# KiCad board dilemma_L.kicad_pcb
title: 0xB2 - Splinky; rev: 2; company: plut0nium
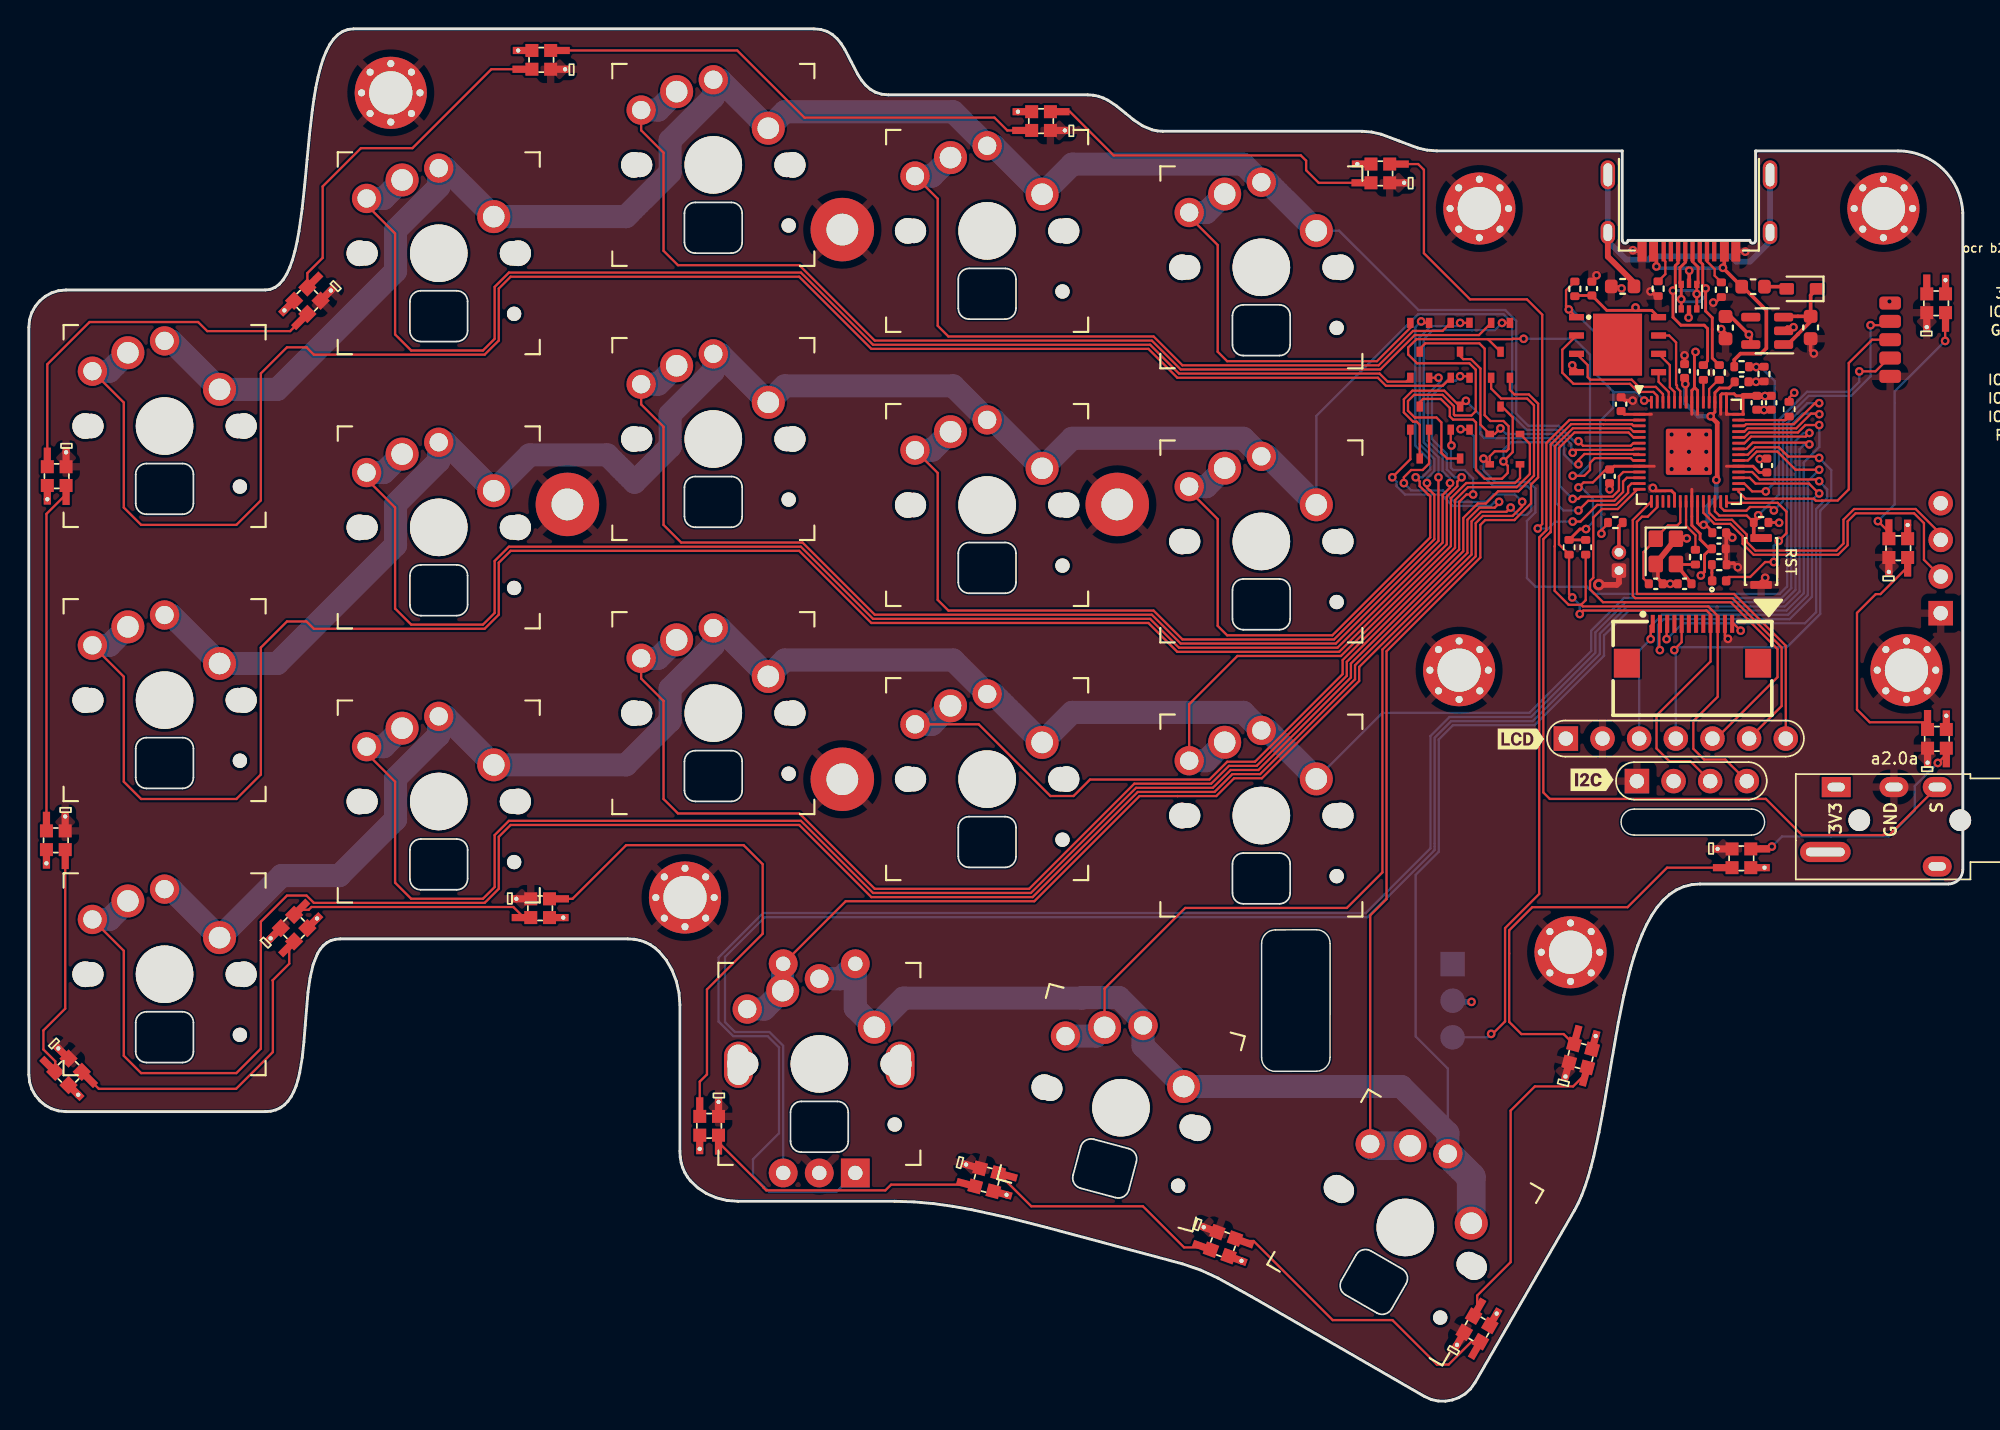
[diagram p0: board, top side]
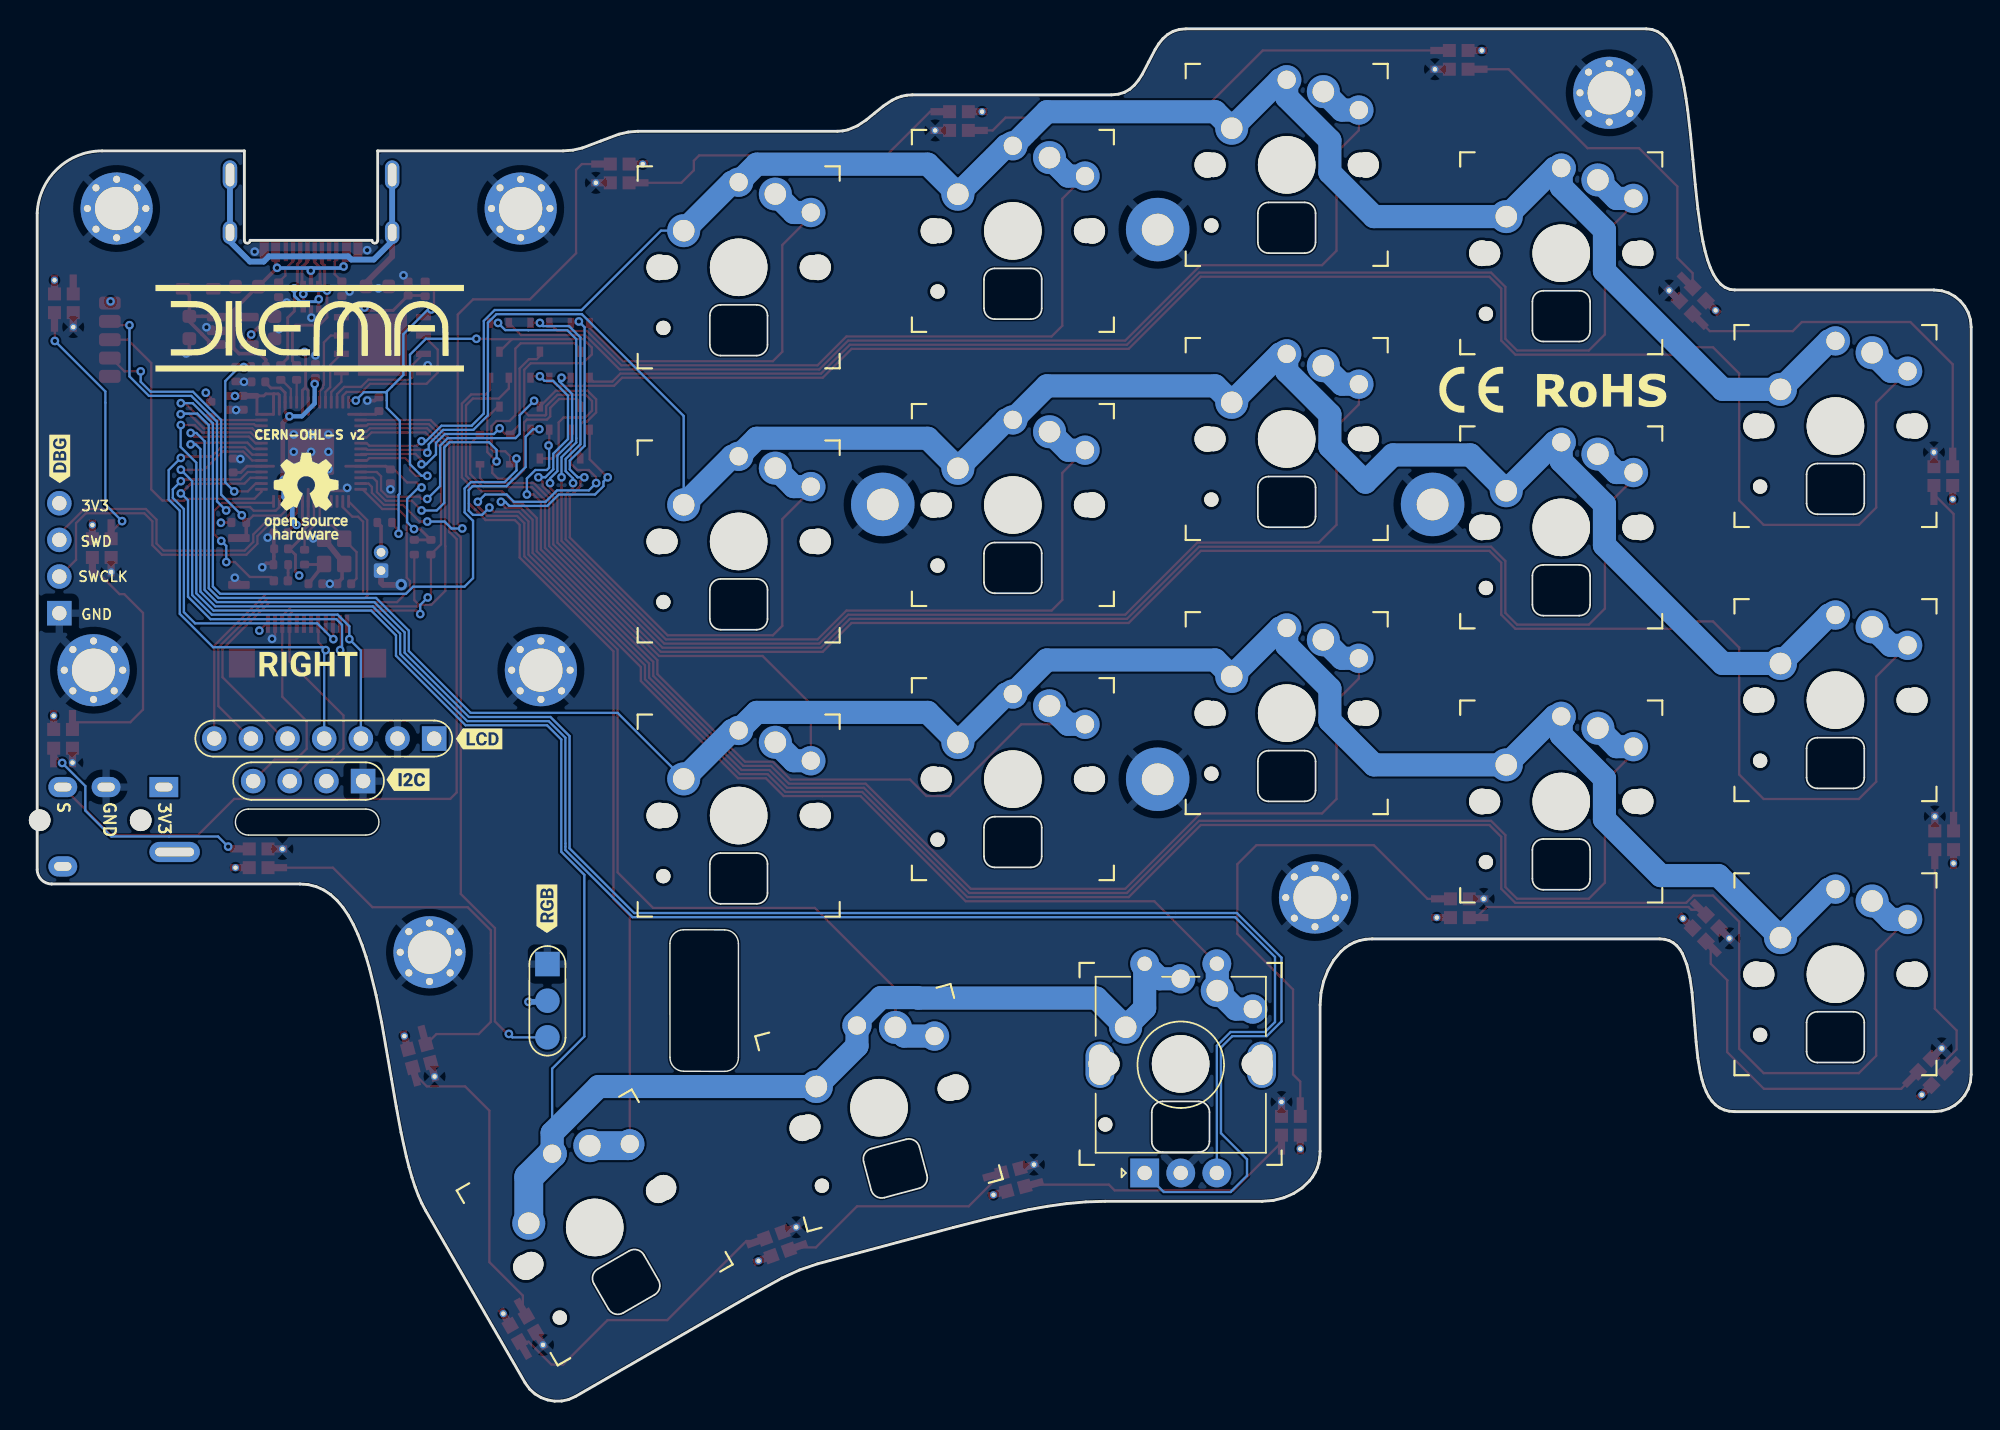
[diagram p1: board, bottom side, seen from below]

Outline 134.01 x 95.12 mm; copper layers: Top, In1.Cu, In2.Cu, Bottom. Coordinates in mm from the lower left corner of the outline.
Outline path: 111.23,41.04 119.38,41.04 arc(120.28,40.14) 119.38,39.24 111.23,39.24 arc(110.33,40.14) 111.23,41.04 ; 0,74.44 0,22.64 0.05,22.11 0.21,21.63 0.44,21.2 0.76,20.82 1.13,20.51 1.56,20.27 2.04,20.12 2.57,20.07 16.37,20.07 16.76,20.1 17.11,20.19 17.43,20.33 17.71,20.54 17.95,20.79 18.17,21.1 18.36,21.46 18.52,21.85 18.65,22.29 18.77,22.76 18.94,23.79 19.06,24.9 19.15,26.06 19.34,28.32 19.49,29.35 19.7,30.26 20,31.01 20.18,31.32 20.4,31.57 20.65,31.78 20.92,31.92 21.23,32.01 21.57,32.04 41.51,32.04 41.95,32.02 42.35,31.94 42.73,31.81 43.07,31.63 43.39,31.41 43.68,31.16 44.17,30.56 44.57,29.87 44.87,29.11 45.05,28.31 45.11,27.47 45.11,17.32 45.14,16.91 45.2,16.53 45.31,16.17 45.46,15.85 45.64,15.54 45.85,15.27 46.36,14.78 46.95,14.39 47.62,14.1 48.35,13.92 49.14,13.85 60.01,13.85 61.35,13.81 62.69,13.69 64.01,13.51 65.33,13.27 67.94,12.7 70.54,12.03 79.93,9.52 81.19,9.09 82.4,8.53 84.74,7.24 96.69,0.34 97.18,0.12 97.67,0.01 98.16,0 98.64,0.08 99.1,0.25 99.52,0.5 99.89,0.84 100.21,1.28 107.11,13.23 107.36,13.71 107.6,14.25 107.82,14.85 108.04,15.5 108.24,16.21 108.44,16.97 108.8,18.62 109.13,20.42 109.46,22.32 110.14,26.24 110.53,28.15 110.97,29.96 111.22,30.8 111.49,31.61 111.79,32.36 112.11,33.05 112.45,33.68 112.83,34.23 113.24,34.71 113.68,35.12 114.16,35.43 114.67,35.66 115.22,35.8 115.81,35.85 133.01,35.85 arc(133.72,36.14) 134.01,36.85 134.01,82.35 arc(132.63,85.41) 129.51,86.66 119.66,86.66 119.66,80.46 arc(119.46,80.26) 119.26,80.46 110.82,80.46 arc(110.62,80.26) 110.42,80.46 110.42,86.66 97.56,86.66 96.89,86.71 96.23,86.86 93.7,87.81 93.05,87.96 92.37,88.02 78.57,88.02 78.2,88.04 77.84,88.12 77.17,88.39 76.56,88.8 75.39,89.76 74.78,90.17 74.45,90.32 74.11,90.44 73.75,90.52 73.37,90.54 59.57,90.54 59.09,90.59 58.66,90.72 58.29,90.94 57.97,91.22 57.69,91.57 57.44,91.97 56.54,93.7 56.29,94.09 56.01,94.44 55.68,94.72 55.31,94.94 54.89,95.07 54.4,95.12 22.51,95.12 22.11,95.07 21.75,94.94 21.41,94.72 21.11,94.41 20.84,94.02 20.6,93.56 20.39,93.02 20.2,92.42 20.03,91.76 19.89,91.05 19.76,90.29 19.64,89.49 19.45,87.81 19.28,86.07 19.12,84.33 18.94,82.65 18.72,81.09 18.59,80.38 18.44,79.72 18.27,79.11 18.08,78.58 17.86,78.11 17.62,77.73 17.36,77.42 17.06,77.2 16.73,77.06 16.37,77.02 2.57,77.02 2.04,76.96 1.56,76.81 1.13,76.57 0.76,76.26 0.44,75.89 0.21,75.46 0.05,74.98 0,74.44 ; 85.42,31.71 85.42,23.81 arc(85.7,23.14) 86.37,22.86 89.21,22.87 arc(89.89,23.14) 90.16,23.82 90.17,31.72 arc(89.89,32.4) 89.22,32.67 86.37,32.66 arc(85.7,32.39) 85.42,31.71
Stack: Top 0.035mm / dielectric 1.11mm FR4 er 4.5 / In1.Cu 0.035mm / dielectric 1.51mm FR4 er 4.5 / In2.Cu 0.035mm / dielectric 1.51mm FR4 er 4.5 / Bottom 0.035mm

## Placement (name value [footprint] x y rotation side)
C5001  1µ  [C_0603_1608Metric]  123.47 74.42 270 top
C5002  1µ  [C_0603_1608Metric]  117.57 74.41 270 top
C5003  1µ  [C_0402_1005Metric]  120.73 69.2 270 top
C5004  1µ  [C_0402_1005Metric]  118.68 70.65 0 top
C5005  15p  [C_0402_1005Metric]  112.73 56.65 0 top
C5006  100n  [C_0402_1005Metric]  114.73 71.4 90 top
C5007  100n  [C_0402_1005Metric]  117.13 60.19 0 top
C5008  15p  [C_0402_1005Metric]  114.73 56.65 180 top
C5009  100n  [C_0402_1005Metric]  109.53 64.1 270 top
C5010  100n  [C_0402_1005Metric]  108.31 77.12 90 top
C5011  100n  [C_0402_1005Metric]  119.73 69.2 270 top
C5012  100n  [C_0402_1005Metric]  110.33 69.1 90 top
C5013  100n  [C_0402_1005Metric]  120.43 64.85 90 top
C5014  100n  [C_0402_1005Metric]  117.11 59.08 0 top
D5001  LED  [LED_0402_1005Metric]  117.13 56.86 0 top
D5002  D_CC  [SOT-323_SC-70]  99.18 69.94 270 top
D5003  D_CC  [SOT-323_SC-70]  96.38 66.34 270 top
D5004  B5817  [D_SOD-323]  122.86 77.1 180 top
D5005  D_CC  [SOT-323_SC-70]  96.38 69.94 270 top
D5006  D_CC  [SOT-323_SC-70]  101.98 69.94 270 top
D5007  D_CC  [SOT-323_SC-70]  101.98 73.74 270 top
D5008  D_CC  [SOT-323_SC-70]  99.18 66.34 270 top
D5009  D  [D_SOD-323#2]  102.28 67.04 0 top
D5010  D_CC  [SOT-323_SC-70]  99.17 73.74 270 top
D5011  D  [D_SOD-323#2]  102.28 64.94 0 top
D5012  D_CC  [SOT-323_SC-70]  96.38 73.74 270 top
D5013  SK6805-EC15  [LED_SK6805-EC15_1.5x1.5mm_P0.6mm_handsolder(1)#2]  93.65 85.1 180 top
D5014  SK6805-EC15  [LED_SK6805-EC15_1.5x1.5mm_P0.6mm_handsolder(1)#2]  35.43 34.17 0 top
D5015  SK6805-EC15  [LED_SK6805-EC15_1.5x1.5mm_P0.6mm_handsolder(1)#2]  132.16 76.1 90 top
D5016  SK6805-EC15  [LED_SK6805-EC15_1.5x1.5mm_P0.6mm_handsolder(1)#2]  70.14 88.73 180 top
D5017  SK6805-EC15  [LED_SK6805-EC15_1.5x1.5mm_P0.6mm_handsolder(1)#2]  47.14 19.09 270 top
D5018  SK6805-EC15  [LED_SK6805-EC15_1.5x1.5mm_P0.6mm_handsolder(1)#2]  35.51 92.97 180 top
D5019  SK6805-EC15  [LED_SK6805-EC15_1.5x1.5mm_P0.6mm_handsolder(1)#2]  66.37 15.34 345 top
D5020  SK6805-EC15  [LED_SK6805-EC15_1.5x1.5mm_P0.6mm_handsolder(1)]  19.3 76.28 225 top
D5021  SK6805-EC15  [LED_SK6805-EC15_1.5x1.5mm_P0.6mm_handsolder(1)#3]  82.74 10.88 340 top
D5022  SK6805-EC15  [LED_SK6805-EC15_1.5x1.5mm_P0.6mm_handsolder(1)#2]  1.93 64.12 270 top
D5023  SK6805-EC15  [LED_SK6805-EC15_1.5x1.5mm_P0.6mm_handsolder(1)#2]  100.35 5.01 60 top
D5024  SK6805-EC15  [LED_SK6805-EC15_1.5x1.5mm_P0.6mm_handsolder(1)#2]  1.87 38.88 270 top
D5025  SK6805-EC15  [LED_SK6805-EC15_1.5x1.5mm_P0.6mm_handsolder(1)#2]  107.53 23.93 75 top
D5026  SK6805-EC15  [LED_SK6805-EC15_1.5x1.5mm_P0.6mm_handsolder(1)]  2.75 22.83 315 top
D5027  SK6805-EC15  [LED_SK6805-EC15_1.5x1.5mm_P0.6mm_handsolder(1)#2]  118.67 37.63 0 top
D5028  SK6805-EC15  [LED_SK6805-EC15_1.5x1.5mm_P0.6mm_handsolder(1)]  18.38 32.79 45 top
D5029  SK6805-EC15  [LED_SK6805-EC15_1.5x1.5mm_P0.6mm_handsolder(1)#2]  132.22 45.91 90 top
D5030  SK6805-EC15  [LED_SK6805-EC15_1.5x1.5mm_P0.6mm_handsolder(1)#2]  129.54 59.13 90 top
F5001  Polyfuse  [Fuse_0603_1608Metric]  119.48 77.25 0 top
FB5001  FerriteBead_Small  [L_0603_1608Metric]  110.44 77.27 0 top
G***  -  [LOGO]  34.29 69.96 180 bottom
G***#2  -  [LOGO]  25.61 70.06 180 bottom
G***#3  -  [LOGO]  115.13 74.37 180 bottom
H5001  NA_M4  [MountingHole_3mm_Pad_Via]  25.08 90.68 0 top
H5002  NA_M4  [MountingHole_3mm_Pad_Via]  106.83 31.11 0 top
H5003  NA_M4  [MountingHole_3mm_Pad_Via]  45.47 34.91 0 top
H5004  NA_M4  [MountingHole_3mm_Pad_Via]  128.51 82.66 0 top
H5005  NA_M4  [MountingHole_3mm_Pad_Via]  99.11 50.66 0 top
H5006  NA_M4  [MountingHole_3mm_Pad_Via]  130.11 50.66 0 top
H5007  NA_M4  [MountingHole_3mm_Pad_Via]  100.51 82.66 0 top
H5008  NA_Mount  [Tenting_Puck]  56.37 62.15 0 top
J5001  USB_C_Receptacle_USB2.0  [USB_C_Receptacle_HRO_TYPE-C-31-M-13B]  115.03 87.1 180 top
J5002  NA_Conn_01x02  [PinHeader_1x02_P1.27mm_Vertical]  110.18 57.57 180 top
J5003  NA_serial  [Jack_3.5mm_PJ320E_Horizontal]  125.24 42.56 270 top
J5004  NA_GC9A01  [PinHeader_1x07_P2.54mm_Vertical]  106.5 45.93 90 top
J5005  NA_Conn_01x04_Female  [PinHeader_1x04_P2.54mm_Vertical_debug]  132.48 62.24 0 top
J5006  NA_Conn_01x03_Female  [PinHeader_1x03_P2.54mm_Vertical_smd]  98.66 30.3 180 bottom
J5007  Cirque  [FPC-SMD_FPC05012-09200-.5mm]  115.28 52.51 0 top
J5008  Conn_01x05  [PinHeader_1x05_P1.27mm_Vertical_SMD]  128.98 76.11 0 top
kibuzzard-62C19AB4  G***  [kibuzzard-62C19AB4]  108.32 43.07 0 top
kibuzzard-62C19AC2  G***  [kibuzzard-62C19AC2]  108.32 43.08 180 bottom
kibuzzard-62C5480E  G***  [kibuzzard-62C5480E]  115.22 51.09 180 bottom
kibuzzard-633C33B9  G***  [kibuzzard-633C33B9]  103.39 45.9 0 top
kibuzzard-633C33EB  G***  [kibuzzard-633C33EB]  103.39 45.91 180 bottom
kibuzzard-633C35A1  G***  [kibuzzard-633C35A1]  98.69 34.13 90 bottom
kibuzzard-633C36FE  G***  [kibuzzard-633C36FE]  132.45 65.31 90 bottom
kibuzzard-637DFD3F  G***  [kibuzzard-637DFD3F]  140.19 75.6 0 top
kibuzzard-637DFD36  G***  [kibuzzard-637DFD36]  140.13 76.93 0 top
kibuzzard-637DFD49  G***  [kibuzzard-637DFD49]  140.09 74.29 0 top
kibuzzard-637DFDAA  G***  [kibuzzard-637DFDAA]  143.06 76.97 0 top
kibuzzard-637DFDBA  G***  [kibuzzard-637DFDBA]  143.16 75.62 0 top
kibuzzard-637DFDC2  G***  [kibuzzard-637DFDC2]  142.95 74.31 0 top
kibuzzard-637DFDE4  G***  [kibuzzard-637DFDE4]  145.8 74.32 0 top
kibuzzard-637DFDEC  G***  [kibuzzard-637DFDEC]  145.97 75.59 0 top
kibuzzard-637DFDF5  G***  [kibuzzard-637DFDF5]  145.75 77 0 top
kibuzzard-637DFF2A  G***  [kibuzzard-637DFF2A]  148.77 75.54 0 top
kibuzzard-637DFF3C  G***  [kibuzzard-637DFF3C]  148.43 74.22 0 top
kibuzzard-637DFF8D  G***  [kibuzzard-637DFF8D]  151.94 75.51 0 top
kibuzzard-637DFF35  G***  [kibuzzard-637DFF35]  148.37 76.93 0 top
kibuzzard-637DFF83  G***  [kibuzzard-637DFF83]  151.97 74.2 0 top
kibuzzard-637DFF95  G***  [kibuzzard-637DFF95]  151.78 76.94 0 top
O5001  NA_OLED  [PinHeader_1x04_P2.54mm_Vertical]  111.43 42.98 90 top
R5001  1k  [R_0402_1005Metric]  117.13 57.98 180 top
R5002  10k  [R_0402_1005Metric]  120.03 60.9 0 top
R5003  1k  [R_0402_1005Metric]  109.93 60.9 180 top
R5004  5.1k  [R_0402_1005Metric]  112.9 77.11 270 top
R5005  5.1k  [R_0402_1005Metric]  117.28 77.04 270 top
R5006  27  [R_0402_1005Metric]  116.03 71.3 270 top
R5007  27  [R_0402_1005Metric]  117.13 71.3 270 top
R5008  1k  [R_0402_1005Metric]  115.48 58.5 90 top
R5009  5.1k  [R_0402_1005Metric]  118.68 71.7 180 top
R5010  10k  [R_0402_1005Metric]  120.23 71.19 90 top
R5011  10k  [R_0402_1005Metric]  107.13 77.1 270 top
R5012  5.1k  [R_0402_1005Metric_nolabel]  121.98 68.76 90 top
R5013  4.7k  [R_0402_1005Metric_nolabel]  107.88 59.19 90 top
R5014  4.7k  [R_0402_1005Metric_nolabel]  106.73 59.19 270 top
REF**  -  [OSHW-Logo_5.7x6mm_SilkScreen]  115.38 62.72 180 bottom
SW5001  SW_Push  [SW_SPST_CK_KXT3]  120.03 58.2 90 top
SW5002  NA_SW_Push  [SW_MX_choc]  9.4 67.59 180 bottom
SW5003  NA_SW_Push  [SW_MX_choc]  9.4 48.59 180 bottom
SW5004  NA_SW_Push  [SW_MX_choc]  9.4 29.59 180 bottom
SW5005  NA_SW_Push  [SW_MX_choc]  75.68 20.34 165 bottom
SW5006  NA_SW_Push  [SW_MX_choc]  28.4 79.56 180 bottom
SW5007  NA_SW_Push  [SW_MX_choc]  28.4 60.56 180 bottom
SW5008  NA_SW_Push  [SW_MX_choc]  28.4 41.56 180 bottom
SW5009  NA_SW_Push  [SW_MX_choc]  95.38 12.04 150 bottom
SW5010  NA_SW_Push  [SW_MX_choc]  47.43 85.69 180 bottom
SW5011  NA_SW_Push  [SW_MX_choc]  47.43 66.69 180 bottom
SW5012  NA_SW_Push  [SW_MX_choc]  47.43 47.69 180 bottom
SW5013  NA_SW_Push  [SW_MX_choc]  54.78 23.38 180 bottom
SW5014  NA_SW_Push  [SW_MX_choc]  66.4 81.11 180 bottom
SW5015  NA_SW_Push  [SW_MX_choc]  66.4 62.11 180 bottom
SW5016  NA_SW_Push  [SW_MX_choc]  66.4 43.11 180 bottom
SW5017  NA_SW_Push  [SW_MX_choc]  85.4 78.59 180 bottom
SW5018  NA_SW_Push  [SW_MX_choc]  85.4 59.59 180 bottom
SW5019  NA_SW_Push  [SW_MX_choc]  85.4 40.59 180 bottom
SW5020  NA_RotaryEncoder_Switch  [RotaryEncoder_Alps_EC11E-Switch_Vertical_H20mm_roundholes]  57.27 15.82 90 bottom
U5001  XC6210B332MR-G  [SOT-23-5]  120.46 74.19 180 top
U5002  RP2040  [QFN-56-1EP_7x7mm_P0.4mm_EP3.2x3.2mm]  115.03 65.8 0 top
U5003  USBLC6-2P6  [SOT-666]  115.04 76.56 90 top
U5004  W25Q128JVS  [W25Q128JVPIQ]  110.09 73.23 0 top
Y5001  Crystal_GND24  [Crystal_SMD_2520-4Pin_2.5x2.0mm]  113.43 58.9 270 top

## Library data of the parts
C5001 C5002 = -: LCSC: C19666
C5003 C5004 = -: LCSC: C52923
C5005 C5008 = -: LCSC: C1548
C5006 C5007 C5009-C5014 = -: LCSC: C1525
D5001 = -: LCSC: C130719
D5004 = -: LCSC: C123899
D5013-D5030 = -: LCSC: C2890035; MFN: Dongguan Opsco Optoelectronics
F5001 = -: LCSC: C69679
FB5001 = -: LCSC: C98288
J5001 = -: LCSC: C2848619
R5001 R5003 R5008 = -: LCSC: C11702
R5002 R5010 R5011 = -: LCSC: C25744
R5004 R5005 R5009 = -: LCSC: C25905
R5006 R5007 = -: LCSC: C25100
R5012 = -: JLCPCB BOM: 1; JLCPCB Part: C26033
R5013 R5014 = -: LCSC: C269746
SW5001 = -: LCSC: C319433; Field5: R
U5001 = -: LCSC: C82942; LCSC2: C47719
U5002 = -: LCSC: C2040
Y5001 = -: LCSC: C2149204

## Footprints (pads in the part's own frame, mm; a bottom-side part is the same pattern mirrored in y, then rotated)
C_0402_1005Metric
  rrect 0.56x0.62 smd: 1(-0.48,0) 2(0.48,0)
C_0603_1608Metric
  rrect 0.9x0.95 smd: 1(-0.775,0) 2(0.775,0)
Crystal_SMD_2520-4Pin_2.5x2.0mm
  rrect 1.15x1 smd: 1(-0.875,-0.7) 2(0.875,-0.7) 3(0.875,0.7) 4(-0.875,0.7)
D_SOD-323
  rrect 1x0.8 smd: 1(-1.05,0) 2(1.05,0)
D_SOD-323#2
  rect 0.6x0.45 smd: 1(-1.05,0) 2(1.05,0)
FPC-SMD_FPC05012-09200-.5mm
  rect 0.28x1.25 smd: 1(-2.75,1.362) 2(-2.25,1.362) 3(-1.75,1.362) 4(-1.25,1.362) 5(-0.75,1.362) 6(-0.25,1.362) 7(0.25,1.362) 8(0.75,1.362) 9(1.25,1.362) 10(1.75,1.362) 11(2.25,1.362) 12(2.75,1.362)
  rect 1.8x2 smd: 13(4.55,-1.362) 14(-4.55,-1.362)
Fuse_0603_1608Metric
  rrect 0.875x0.95 smd: 1(-0.787,0) 2(0.787,0)
Jack_3.5mm_PJ320E_Horizontal
  oval 1.5x1.5 hole 1.5 unplated: (2.3,8.6) (2.3,1.6)
  oval 1.4x2 hole 0.6x1.2: (5.5,7) R1(0,4) R2(0,7)
  oval 1.4x3.5 hole 0.6x2.7: S(4.5,-0.75)
  rect 1.4x2 hole 0.6x1.2: T(0,0)
L_0603_1608Metric
  rrect 0.875x0.95 smd: 1(-0.787,0) 2(0.787,0)
LED_0402_1005Metric
  rrect 0.59x0.64 smd: 1(-0.485,0) 2(0.485,0)
LED_SK6805-EC15_1.5x1.5mm_P0.6mm_handsolder(1)
  rect 1.7x0.5 smd: 1(-1.124,-0.65) 2(1.124,-0.65) 3(1.149,0.65) 4(-1.124,0.65)
  rect 0.9x0.9 smd: 1(-0.65,-0.65) 2(0.65,-0.65) 3(0.65,0.65) 4(-0.65,0.65)
  round 0.5 hole 0.3: 2(1.6,-0.65) 4(-1.65,0.65)
LED_SK6805-EC15_1.5x1.5mm_P0.6mm_handsolder(1)#2
  rect 1.7x0.5 smd: 1(-1.124,-0.65) 2(1.124,-0.65) 3(1.149,0.65) 4(-1.124,0.65)
  rect 0.9x0.9 smd: 1(-0.65,-0.65) 2(0.65,-0.65) 3(0.65,0.65) 4(-0.65,0.65)
  round 0.5 hole 0.3: 2(1.6,-0.65) 4(-1.65,0.65)
LED_SK6805-EC15_1.5x1.5mm_P0.6mm_handsolder(1)#3
  rect 1.7x0.5 smd: 1(-1.124,-0.65) 2(1.124,-0.65) 3(1.149,0.65) 4(-1.124,0.65)
  rect 0.9x0.9 smd: 1(-0.65,-0.65) 2(0.65,-0.65) 3(0.65,0.65) 4(-0.65,0.65)
  round 0.5 hole 0.3: 2(1.6,-0.65) 4(-1.65,0.65)
MountingHole_3mm_Pad_Via
  round 0.8 hole 0.5: 1(-2.025,0) 1(-1.432,1.432) 1(-1.432,-1.432) 1(0,2.025) 1(0,-2.025) 1(1.432,1.432) 1(1.432,-1.432) 1(2.025,0)
  round 5 hole 3: 1(0,0)
PinHeader_1x02_P1.27mm_Vertical
  rrect 1x1 hole 0.6: 1(0,0)
  round 1 hole 0.6: 2(0,-1.27)
PinHeader_1x03_P2.54mm_Vertical_smd
  rect 1.7x1.7 smd: 1(0,0)
  oval 1.7x1.7 smd: 2(0,-2.54) 3(0,-5.08)
PinHeader_1x04_P2.54mm_Vertical
  rect 1.7x1.7 hole 1: 1(0,0)
  oval 1.7x1.7 hole 1: 2(0,-2.54) 3(0,-5.08) 4(0,-7.62)
PinHeader_1x04_P2.54mm_Vertical_debug
  round 1.7 hole 1: 1(0,0)
  oval 1.7x1.7 hole 1: 2(0,-2.54) 3(0,-5.08)
  rect 1.7x1.7 hole 1: 4(0,-7.62)
PinHeader_1x05_P1.27mm_Vertical_SMD
  rrect 1.5x0.9 smd: 1(0,0) 2(0,-1.27) 3(0,-2.54) 4(0,-3.81) 5(0,-5.08)
PinHeader_1x07_P2.54mm_Vertical
  rect 1.7x1.7 hole 1: 1(0,0)
  oval 1.7x1.7 hole 1: 2(0,-2.54) 3(0,-5.08) 4(0,-7.62) 5(0,-10.16) 6(0,-12.7) 7(0,-15.24)
QFN-56-1EP_7x7mm_P0.4mm_EP3.2x3.2mm
  rrect 1.084x1.084 smd: (-0.637,0.637) (-0.637,-0.637) (0.637,0.637) (0.637,-0.637)
  rrect 0.875x0.2 smd: 1(-3.438,2.6) 2(-3.438,2.2) 3(-3.438,1.8) 4(-3.438,1.4) 5(-3.438,1) 6(-3.438,0.6) 7(-3.438,0.2) 8(-3.438,-0.2) 9(-3.438,-0.6) 10(-3.438,-1) 11(-3.438,-1.4) 12(-3.438,-1.8) 13(-3.438,-2.2) 14(-3.438,-2.6) 29(3.438,-2.6) 30(3.438,-2.2) 31(3.438,-1.8) 32(3.438,-1.4) 33(3.438,-1) 34(3.438,-0.6) 35(3.438,-0.2) 36(3.438,0.2) 37(3.438,0.6) 38(3.438,1) 39(3.438,1.4) 40(3.438,1.8) 41(3.438,2.2) 42(3.438,2.6)
  rrect 0.2x0.875 smd: 15(-2.6,-3.438) 16(-2.2,-3.438) 17(-1.8,-3.438) 18(-1.4,-3.438) 19(-1,-3.438) 20(-0.6,-3.438) 21(-0.2,-3.438) 22(0.2,-3.438) 23(0.6,-3.438) 24(1,-3.438) 25(1.4,-3.438) 26(1.8,-3.438) 27(2.2,-3.438) 28(2.6,-3.438) 43(2.6,3.438) 44(2.2,3.438) 45(1.8,3.438) 46(1.4,3.438) 47(1,3.438) 48(0.6,3.438) 49(0.2,3.438) 50(-0.2,3.438) 51(-0.6,3.438) 52(-1,3.438) 53(-1.4,3.438) 54(-1.8,3.438) 55(-2.2,3.438) 56(-2.6,3.438)
  rrect 3.2x3.2 smd: 57(0,0)
R_0402_1005Metric
  rrect 0.54x0.64 smd: 1(-0.51,0) 2(0.51,0)
R_0402_1005Metric_nolabel
  rrect 0.54x0.64 smd: 1(-0.51,0) 2(0.51,0)
RotaryEncoder_Alps_EC11E-Switch_Vertical_H20mm_roundholes
  rect 2x2 hole 1: A(0,0)
  round 2 hole 1: B(0,-5) C(0,-2.5) S1(14.5,-5) S2(14.5,0)
  oval 3.2x2 hole 2.8x1.5: MP(7.5,-8.1) MP(7.5,3.1)
SOT-23-5
  rrect 1.325x0.6 smd: 1(-1.137,0.95) 2(-1.137,0) 3(-1.137,-0.95) 4(1.137,-0.95) 5(1.137,0.95)
SOT-323_SC-70
  rect 0.7x0.45 smd: 1(-1,0.65) 2(-1,-0.65) 3(1,0)
SOT-666
  rect 0.5x0.375 smd: 1(-0.85,0.537) 3(-0.85,-0.537) 4(0.85,-0.537) 6(0.85,0.537)
  rect 0.65x0.3 smd: 2(-0.925,0) 5(0.925,0)
SW_MX_choc
  round 1.782 hole 1.782 unplated: (-5.5,0) (5.5,0)
  round 0.991 hole 0.991 unplated: (-5.22,-4.2)
  round 1.702 hole 1.702 unplated: (-5.08,0) (5.08,0)
  round 3.988 hole 3.988 unplated: (0,0)
  round 2.286 hole 1.499: 1(-3.81,2.54) 2(2.54,5.08)
  round 2.032 hole 1.27: 1(0,5.9) 2(5,3.8)
SW_SPST_CK_KXT3
  rrect 0.55x1.5 smd: 1(-1.625,0) 2(1.625,0)
Tenting_Puck
  round 4.4 hole 2.2: 1(-19.05,0) 1(0,19.05) 1(0,-19.05) 1(19.05,0)
USB_C_Receptacle_HRO_TYPE-C-31-M-13B
  rect 0.6x1.4 smd: A1(-3.25,7.4) A4(-2.45,7.4) A9(2.45,7.4) A12(3.25,7.4) B1(3.25,7.4) B4(2.45,7.4) B9(-2.45,7.4) B12(-3.25,7.4)
  rect 0.3x1.4 smd: A5(-1.25,7.4) A6(-0.25,7.4) A7(0.25,7.4) A8(1.25,7.4) B5(1.75,7.4) B6(0.75,7.4) B7(-0.75,7.4) B8(-1.75,7.4)
  oval 1x1.6 hole 0.6x1.2: S1(-5.62,6.1) S1(5.62,6.1)
  oval 1x2 hole 0.6x1.6: S1(-5.62,2.1) S1(5.62,2.1)
W25Q128JVPIQ
  rrect 1.04x0.44 smd: 1(-2.845,1.905) 2(-2.845,0.635) 3(-2.845,-0.635) 4(-2.845,-1.905) 5(2.845,-1.905) 6(2.845,-0.635) 7(2.845,0.635) 8(2.845,1.905)
  rect 3.4x4.3 smd: 9(0,0)
